# KiCad board sephirette.kicad_pcb
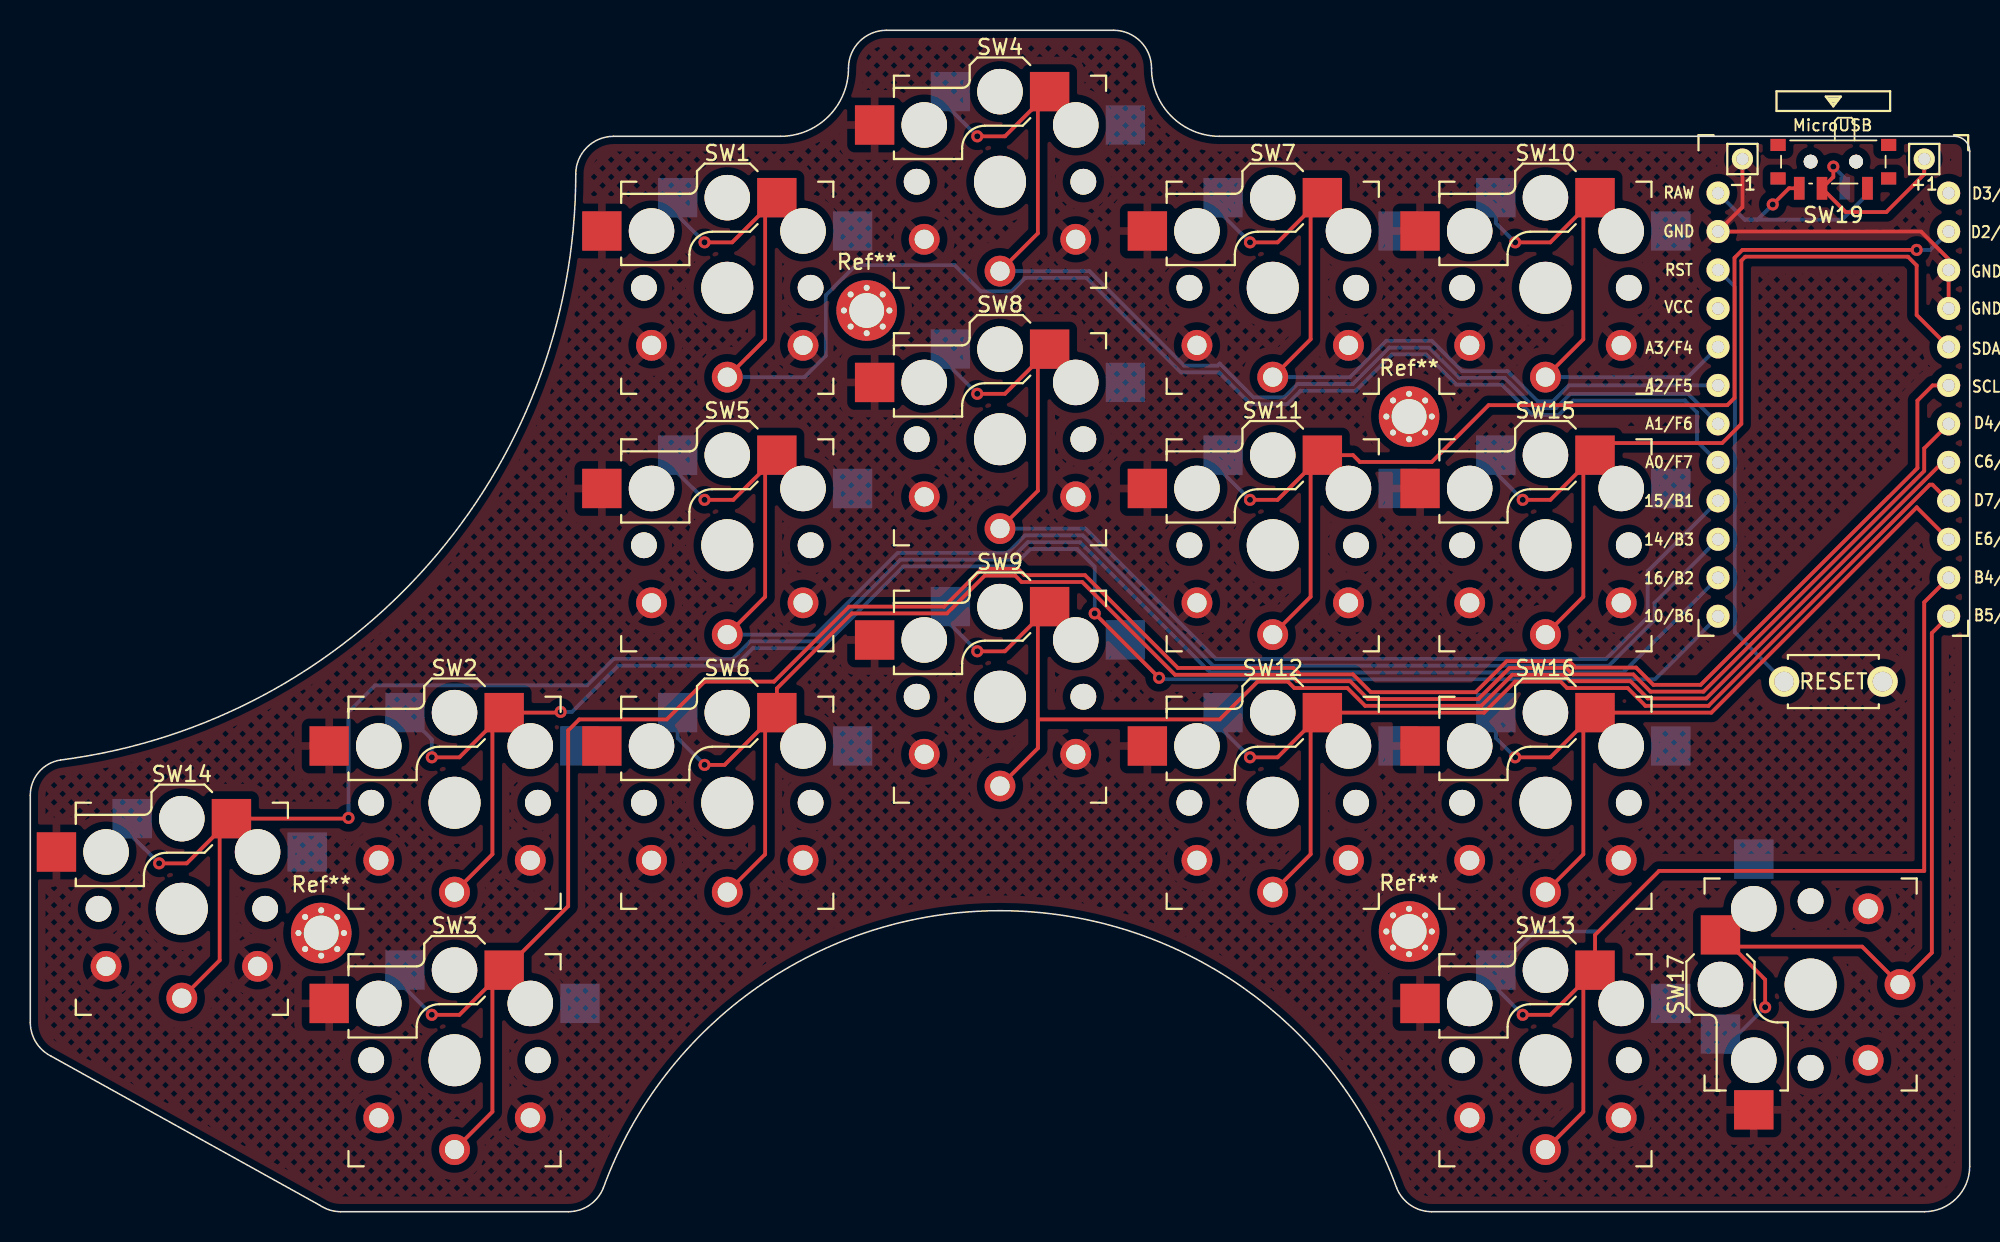
[diagram p0: board, top side]
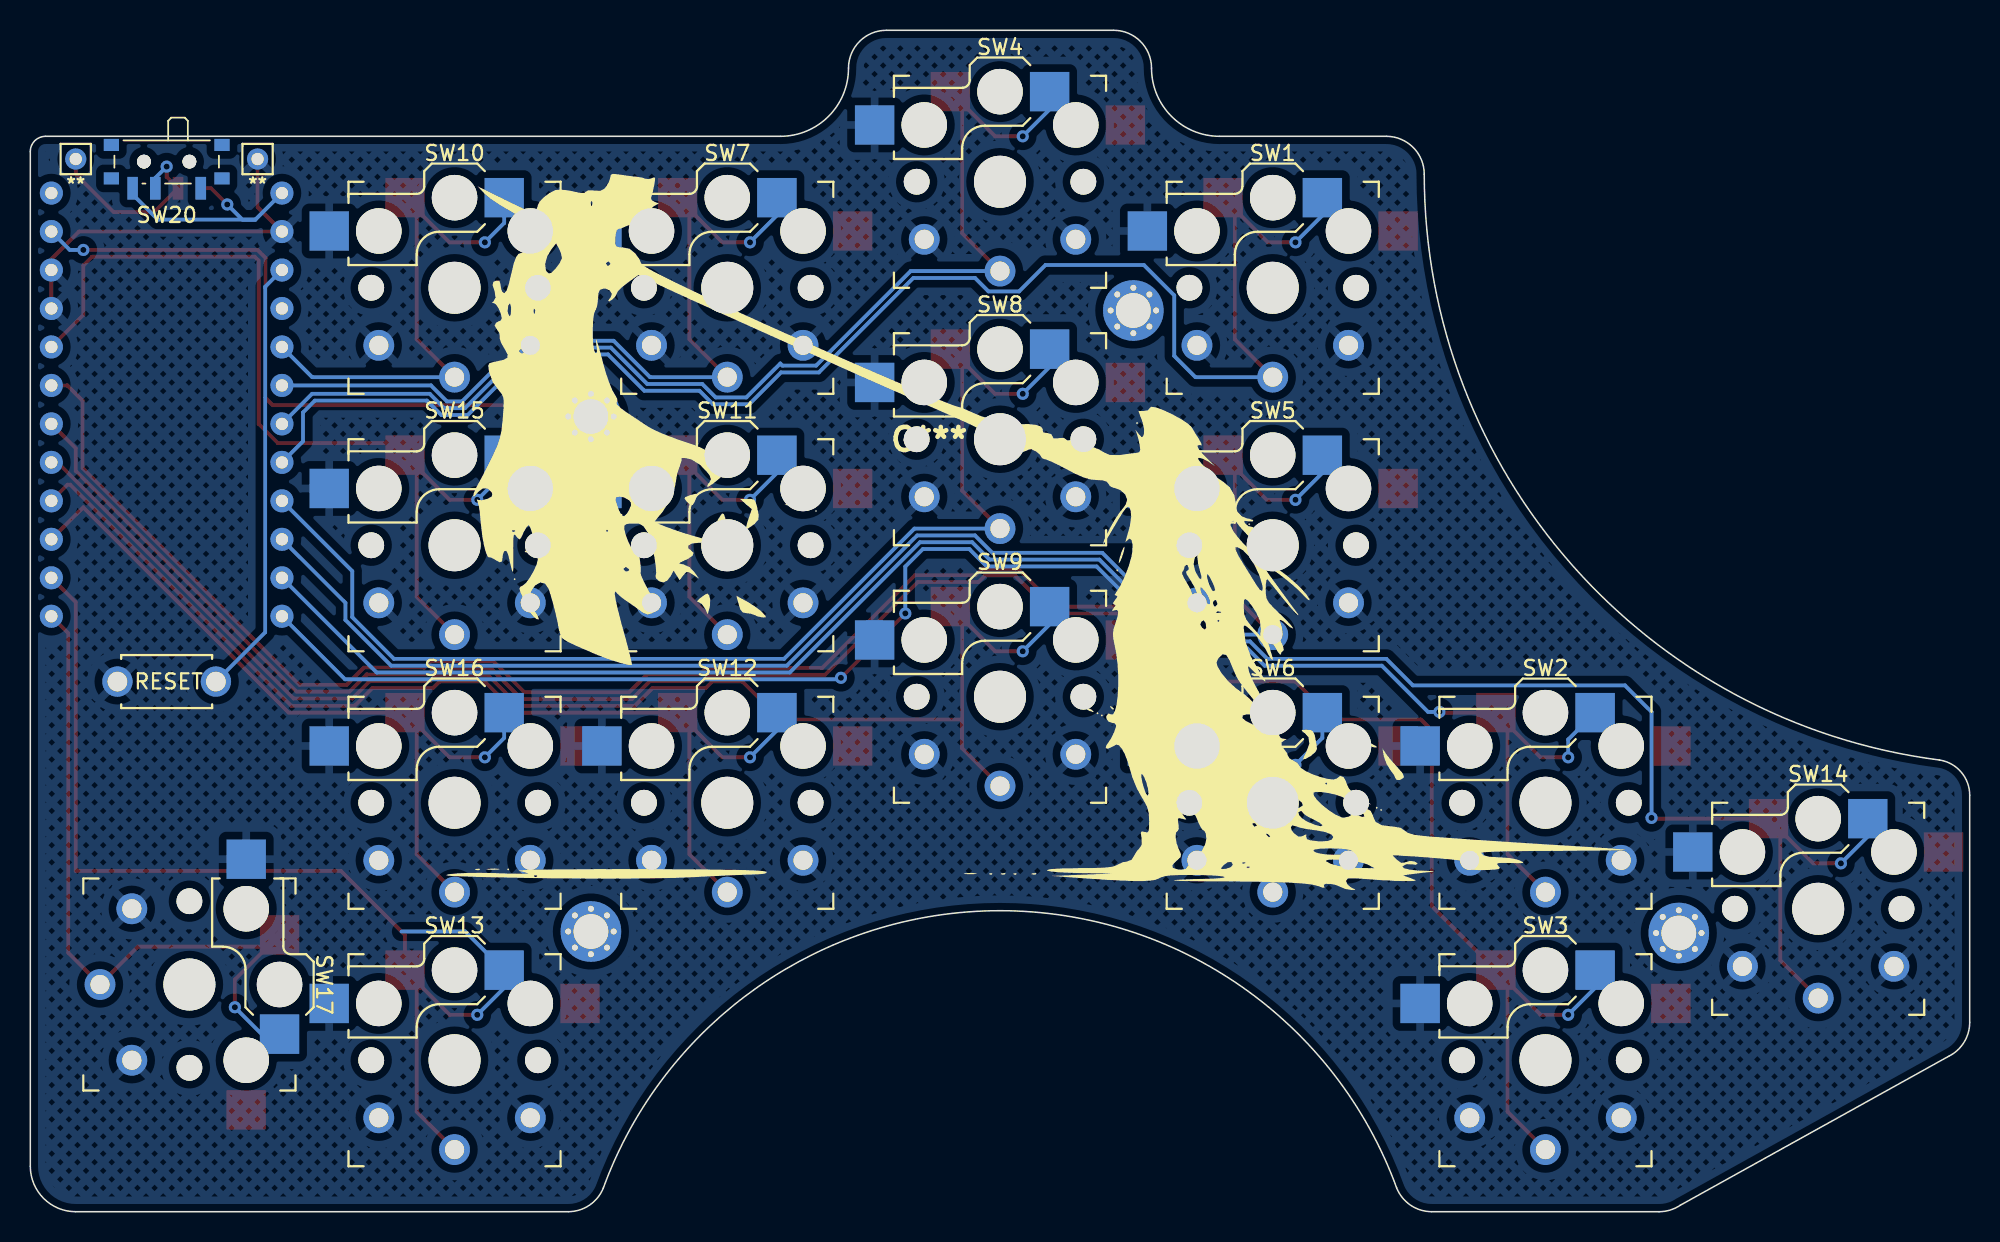
[diagram p1: board, bottom side, seen from below]

Outline 128 x 78 mm; copper layers: Top, Bottom. Coordinates in mm from the lower left corner of the outline.
Outline path: 0,27.5 0,12.5 arc(0.37,11.19) 1.38,10.26 19.11,0.42 arc(19.78,0.11) 20.5,0 35.5,0 arc(36.9,0.43) 37.82,1.57 arc(64,19.87) 90.18,1.56 arc(91.1,0.43) 92.5,0 125,0 arc(127.12,0.88) 128,3 128,70 arc(127.71,70.71) 127,71 78.5,71 arc(75.32,72.32) 74,75.5 arc(73.27,77.27) 71.5,78 56.5,78 arc(54.73,77.27) 54,75.5 arc(52.68,72.32) 49.5,71 38.5,71 arc(36.73,70.27) 36,68.5 arc(26.29,42.75) 1.99,29.82 arc(0.57,29.03) 0,27.5

## Placement (name value [footprint] x y rotation side)
+1  MountingHole_Pad  [1pin_conn]  125 69.5 0 top
-1  MountingHole_Pad  [1pin_conn]  113 69.5 0 top
G***  LOGO  [sephiroth_art]  68.67 50.98 180 bottom
Ref**  Val**  [M2_HOLE_v3]  91 18.5 0 top
Ref**#2  Val**  [M2_HOLE_v3]  55.2 59.5 0 top
Ref**#3  Val**  [M2_HOLE_v3]  19.2 18.4 0 top
Ref**#4  Val**  [M2_HOLE_v3]  91 52.5 0 top
SW1  SW_Push  [Kailh_socket_PG1350_optional_reversible]  46 61 0 top
SW2  SW_Push  [Kailh_socket_PG1350_optional_reversible]  28 27 0 top
SW3  SW_Push  [Kailh_socket_PG1350_optional_reversible]  28 10 0 top
SW4  SW_Push  [Kailh_socket_PG1350_optional_reversible]  64 68 0 top
SW5  SW_Push  [Kailh_socket_PG1350_optional_reversible]  46 44 0 top
SW6  SW_Push  [Kailh_socket_PG1350_optional_reversible]  46 27 0 top
SW7  SW_Push  [Kailh_socket_PG1350_optional_reversible]  82 61 0 top
SW8  SW_Push  [Kailh_socket_PG1350_optional_reversible]  64 51 0 top
SW9  SW_Push  [Kailh_socket_PG1350_optional_reversible]  64 34 0 top
SW10  SW_Push  [Kailh_socket_PG1350_optional_reversible]  100 61 0 top
SW11  SW_Push  [Kailh_socket_PG1350_optional_reversible]  82 44 0 top
SW12  SW_Push  [Kailh_socket_PG1350_optional_reversible]  82 27 0 top
SW13  SW_Push  [Kailh_socket_PG1350_optional_reversible]  100 10 0 top
SW14  SW_Push  [Kailh_socket_PG1350_optional_reversible]  10 20 0 top
SW15  SW_Push  [Kailh_socket_PG1350_optional_reversible]  100 44 0 top
SW16  SW_Push  [Kailh_socket_PG1350_optional_reversible]  100 27 0 top
SW17  SW_Push  [Kailh_socket_PG1350_optional_reversible]  117.5 15 90 top
SW18  SW_Push  [ResetSW]  119 35 180 top
SW19  SW_SPDT  [SW_SPDT_PCM12]  119 69 180 top
SW20  SW_SPDT  [SW_SPDT_PCM12]  119 69 0 bottom
U1  ProMicro_r  [ProMicro_v3.5]  119 52.78 0 top

## Footprints (pads in the part's own frame, mm; a bottom-side part is the same pattern mirrored in y, then rotated)
1pin_conn
  round 1.397 hole 0.813: 1(0,0)
Kailh_socket_PG1350_optional_reversible
  round 1.702 hole 1.702 unplated: (-5.5,0) (5.5,0)
  round 3 hole 3 unplated: (-5,3.75) (0,5.95) (5,3.75)
  round 3.429 hole 3.429 unplated: (0,0)
  rect 2.6x2.6 smd far side: 1(-3.275,5.95) 2(8.275,3.75)
  round 2.032 hole 1.27: 1(0,-5.9) 2(-5,-3.8) 2(5,-3.8)
  rect 2.6x2.6 smd: 1(3.275,5.95) 2(-8.275,3.75)
M2_HOLE_v3
  round 0.5 hole 0.4: 1(-1.5,0) 1(-1.06,1.06) 1(-1.06,-1.06) 1(0,1.5) 1(0,-1.5) 1(1.06,1.06) 1(1.06,-1.06) 1(1.5,0)
  round 4 hole 2.3: 1(0,0)
ProMicro_v3.5
  round 1.524 hole 0.813: 1(7.611,14.478) 2(7.611,11.938) 3(7.611,9.398) 4(7.611,6.858) 5(7.611,4.318) 6(7.611,1.778) 7(7.611,-0.762) 8(7.611,-3.302) 9(7.611,-5.842) 10(7.611,-8.382) 11(7.611,-10.922) 12(7.611,-13.462) 13(-7.609,-13.462) 14(-7.609,-10.922) 15(-7.609,-8.382) 16(-7.609,-5.842) 17(-7.609,-3.302) 18(-7.609,-0.762) 19(-7.609,1.778) 20(-7.609,4.318) 21(-7.609,6.858) 22(-7.609,9.398) 23(-7.609,11.938) 24(-7.609,14.478)
ResetSW
  round 2 hole 1.3: 1(3.25,0) 2(-3.25,0)
SW_SPDT_PCM12
  rect 1x0.8 smd: (-3.65,0.78) (-3.65,-1.43) (3.65,0.78) (3.65,-1.43)
  round 0.9 hole 0.9 unplated: (-1.5,-0.33) (1.5,-0.33)
  rect 0.7x1.5 smd: 1(-2.25,1.43) 2(0.75,1.43) 3(2.25,1.43)

## Nets
gnd: -1.1 SW1.2 SW2.2 SW3.2 SW4.2 SW5.2 SW6.2 SW7.2 SW8.2 SW9.2 SW10.2 SW11.2 SW12.2 SW13.2 SW14.2 SW15.2 SW16.2 SW17.2 SW18.2 U1.3 U1.4 U1.23
bat+: +1.1 SW19.2 SW20.2
K0: SW1.1 U1.17
K1: SW4.1 U1.18
K2: SW7.1 U1.19
K3: SW10.1 U1.20
K4: SW14.1 U1.14
K5: SW2.1 U1.13
K6: SW5.1 U1.15
K7: SW8.1 U1.16
K8: SW11.1 U1.2
K9: SW15.1 U1.5
K10: SW3.1 U1.6
K11: SW6.1 U1.7
K12: SW9.1 U1.8
K13: SW12.1 U1.9
K14: SW16.1 U1.10
K15: SW13.1 U1.11
K16: SW17.1 U1.12
raw: SW19.3 SW20.3 U1.24
reset: SW18.1 U1.22

Pads without a net: Ref** 1; Ref**#2 1; Ref**#3 1; Ref**#4 1; SW19 1; SW20 1; U1 1 21

## Via types
v1: diameter 0.8, hole 0.4, Top to Bottom, 24 vias

## Routing (per net, layer and track width the routed paths; a pad name or vN(x,y) marks a point on that pad's centre or on a via; arc(x,y) is an arc through that point)
gnd: length 29
  Top w0.25: 95.7,40.2 SW15.2 ; 95.7,23.2 SW16.2 ; SW12.2 73.75,30.75 ; SW5.2 37.75,47.75 ; 126.61,59.63 U1.3 126.61,62.89 124.79,64.71 111.39,64.71 113,66.32 -1.1 ; SW3.2 19.75,13.75 ; SW14.2 1.75,23.75 ; 95.7,6.2 SW13.2
  Bottom w0.25: 126.61,62.39 U1.3 ; SW13.2 108.25,13.75 ; 86.3,40.2 SW11.2 ; 104.3,40.2 SW15.2 ; SW16.2 108.28,30.28
bat+: length 12.9
  Top w0.25: +1.1 125,68.5 122.5,66 119.82,66 SW19.2 119,68.32 v1(119,69)
  Bottom w0.25: v1(119,69) 119.75,68.25 SW20.2
K0: length 104.5
  Top w0.25: SW1.1 48.5,57.6 48.5,66.17 SW1.1 46.33,64 v1(44.5,64)
  Bottom w0.25: SW1.1 51.1,55.1 52.5,56.5 52.5,60.5 54.5,62.5 61,62.5 62.74,60.76 64.76,60.76 65.65,61.65 69.71,61.65 75.95,55.41 78.45,55.41 80.55,53.31 82.95,53.31 83.84,54.2 87.47,54.2 89.87,56.6 92.13,56.6 94.13,54.6 97.13,54.6 99.13,52.6 100.87,52.6 101.82,53.55 109.22,53.55 110,52.77 110,50.86 U1.17 ; v1(44.5,64) 42.72,65.78 SW1.1
K1: length 78.1
  Top w0.25: v1(62.5,71) 64.32,71 SW4.1 66.5,73.17 66.5,64.6 SW4.1
  Bottom w0.25: v1(62.5,71) 60.72,72.78 SW4.1 ; SW4.1 69.9,62.1 76.14,55.86 78.36,55.86 78.5,56 80.74,53.76 82.76,53.76 83.65,54.65 87.29,54.65 89.69,57.05 92.31,57.05 94.31,55.05 97.31,55.05 99.31,53.05 100.69,53.05 101.64,54 109.4,54 U1.18
K2: length 55.4
  Top w0.25: v1(80.5,64) 82.32,64 SW7.1 84.5,66.17 84.5,57.6 SW7.1
  Bottom w0.25: SW7.1 87.1,55.1 89.5,57.5 92.5,57.5 94.5,55.5 97.5,55.5 99.5,53.5 100.5,53.5 101.55,54.55 111.39,54.55 ; v1(80.5,64) 78.72,65.78 SW7.1
K3: length 35.4
  Top w0.25: SW10.1 102.5,57.6 102.5,66.17 SW10.1 100.32,64 v1(98,64)
  Bottom w0.25: SW10.1 96.72,65.28 v1(98,64) ; U1.20 109.4,55.1 SW10.1
K4: length 138.8
  Top w0.25: SW14.1 10.33,23 v1(8.5,23) ; SW14.1 12.5,25.17 12.5,16.6 SW14.1 ; SW14.1 20.95,25.95 v1(21,26)
  Bottom w0.25: SW14.1 6.72,24.78 v1(8.5,23) ; v1(21,26) 21,33 22.75,34.75 36.75,34.75 38.5,36.5 46.35,36.5 47.5,37.65 52.04,37.65 57.44,43.05 64.69,43.05 65.84,44.2 69.28,44.2 77.88,35.6 105.14,35.6 111.39,41.85
K5: length 114.6
  Top w0.25: v1(26.5,30) 28.33,30 SW2.1 ; SW2.1 34.95,32.95 v1(35,33) ; SW2.1 30.5,32.17 30.5,23.6 SW2.1 ; v1(70.25,39.5) v1(74.5,35.25)
  Bottom w0.25: v1(26.5,30) 26.5,31.17 SW2.1 ; v1(70.25,39.5) 70.25,42.59 69.09,43.75 66.02,43.75 64.87,42.6 57.62,42.6 52.22,37.2 47.69,37.2 46.54,36.05 38.8,36.05 35.75,33 v1(35,33) ; U1.13 107.23,35.15 74.6,35.15 v1(74.5,35.25)
K6: length 98.7
  Top w0.25: SW5.1 48.5,40.6 48.5,49.17 SW5.1 49.28,49.88 46.4,47 v1(44.5,47)
  Bottom w0.25: SW5.1 42.72,48.78 v1(44.5,47) ; SW5.1 51.85,38.1 57.25,43.5 64.5,43.5 65.65,44.65 69.46,44.65 78.06,36.05 104.19,36.05 107.2,39.06 107.2,40.2 U1.15
K7: length 79.9
  Top w0.25: v1(62.5,54) 64.32,54 SW8.1 66.5,56.17 66.5,47.6 SW8.1
  Bottom w0.25: SW8.1 69.65,45.1 78.25,36.5 104,36.5 106.75,39.25 106.75,42.29 U1.16 ; SW8.1 60.72,55.78 v1(62.5,54)
K8: length 76.1
  Top w0.25: v1(80.5,47) 82.32,47 SW11.1 ; SW11.1 87.3,49.95 87.75,49.5 92.5,49.5 96.25,53.25 112,53.25 112.48,53.73 112.48,62.98 113,63.5 v1(124.5,63.5) ; SW11.1 84.5,49.17 84.5,40.6 SW11.1
  Bottom w0.25: v1(80.5,47) 78.72,48.78 SW11.1 ; v1(124.5,63.5) 125.4,63.5 126.61,64.71
K9: length 62.3
  Top w0.25: SW15.1 104.07,50.75 111.66,50.75 112.93,52.01 112.93,62.79 113.19,63.05 123.92,63.05 124.5,62.48 124.5,59.2 U1.5 ; SW15.1 102.5,49.17 102.5,40.6 SW15.1 ; SW15.1 100.32,47 v1(98.5,47)
  Bottom w0.25: v1(98.5,47) 96.72,48.78 SW15.1
K10: length 151.7
  Top w0.25: SW3.1 30.5,6.6 30.5,15.17 SW3.1 ; SW3.1 35.5,20.17 35.5,31.77 36.23,32.5 42,32.5 44.5,35 49.09,35 54.04,39.95 60.31,39.95 62.81,42.45 65.19,42.45 65.61,42.02 69.61,42.02 75.74,35.9 83.37,35.9 83.8,35.47 87.3,35.47 88.47,34.3 95.39,34.3 97.44,36.35 101.56,36.35 101.98,35.92 105.98,35.92 107.12,34.78 110.24,34.78 124.55,49.09 124.55,53.55 125.55,54.55 126.61,54.55 ; SW3.1 28.33,13 v1(26.5,13)
  Bottom w0.25: SW3.1 24.72,14.78 v1(26.5,13)
K11: length 118.7
  Top w0.25: SW6.1 48.5,32.17 48.5,23.6 SW6.1 ; SW6.1 49.28,34.55 54.23,39.5 60.5,39.5 63,42 65,42 65.43,41.57 69.43,41.57 75.55,35.45 83.19,35.45 83.61,35.02 87.11,35.02 88.29,33.85 95.58,33.85 97.63,35.9 101.37,35.9 101.8,35.47 105.8,35.47 106.94,34.34 110.43,34.34 124.3,48.2 125,48.91 125,50.4 U1.7 ; SW6.1 45.83,29.5 v1(44.5,29.5)
  Bottom w0.25: SW6.1 42.72,31.28 v1(44.5,29.5)
K12: length 94.6
  Top w0.25: 66.5,30.6 SW9.1 ; 66.5,30.6 66.5,32.5 78.5,32.5 81,35 83,35 83.43,34.57 86.93,34.57 88.1,33.4 95.76,33.4 97.81,35.45 101.19,35.45 101.61,35.02 105.61,35.02 106.75,33.89 110.61,33.89 126.2,49.47 U1.8 ; 66.5,30.6 66.5,39.17 SW9.1 64.32,37 v1(62.5,37)
  Bottom w0.25: v1(62.5,37) 60.72,38.78 SW9.1
K13: length 72.2
  Top w0.25: U1.9 125.54,48 125.36,48 110.76,33.4 106.6,33.4 105.42,34.58 101.42,34.58 101,35 98,35 95.95,32.95 SW12.1 ; v1(80.5,30) 82.32,30 SW12.1 ; SW12.1 84.5,23.6 84.5,32.17 SW12.1
  Bottom w0.25: SW12.1 78.72,31.78 v1(80.5,30)
K14: length 53
  Top w0.25: U1.10 124.5,46.5 124.5,46.5 110.95,32.95 SW16.1 ; SW16.1 102.5,23.6 102.5,32.17 SW16.1 ; SW16.1 100.32,30 v1(98,30)
  Bottom w0.25: SW16.1 96.72,31.28 v1(98,30)
K15: length 76.5
  Top w0.25: v1(98.5,13) 100.32,13 SW13.1 ; SW13.1 102.5,6.6 102.5,15.17 SW13.1 ; SW13.1 103.28,18.28 107.5,22.5 125,22.5 125,40.24 126.61,41.85
  Bottom w0.25: v1(98.5,13) 96.72,14.78 SW13.1 96.75,15.95 99.3,18.5 103.5,18.5
K16: length 48.5
  Top w0.25: U1.12 125.5,38.2 125.5,17.1 SW17.1 120.9,17.5 112.32,17.5 SW17.1 114.5,15.33 v1(114.5,13.5)
  Bottom w0.25: v1(114.5,13.5) 112.72,11.72 SW17.1
raw: length 16.1
  Top w0.25: v1(115,66.5) 116.07,67.57 SW19.3
  Bottom w0.25: v1(115,66.5) 114,65.5 113.14,65.5 ; SW20.3 121.25,67.17 119.58,65.5 113.14,65.5 ; U1.24 113.14,65.5
reset: length 29
  Bottom w0.25: SW18.1 112.5,38.25 112.5,61.06 U1.22

## Copper pours and planes (outline as drawn; the poured copper is in the pictures)
gnd on Top: 135,-6 -6,-6 -6,84 135,84
gnd on Bottom: 134,-6 -6,-6 -6,84 134,84
